# KiCad board accelerator.kicad_pcb (continued)
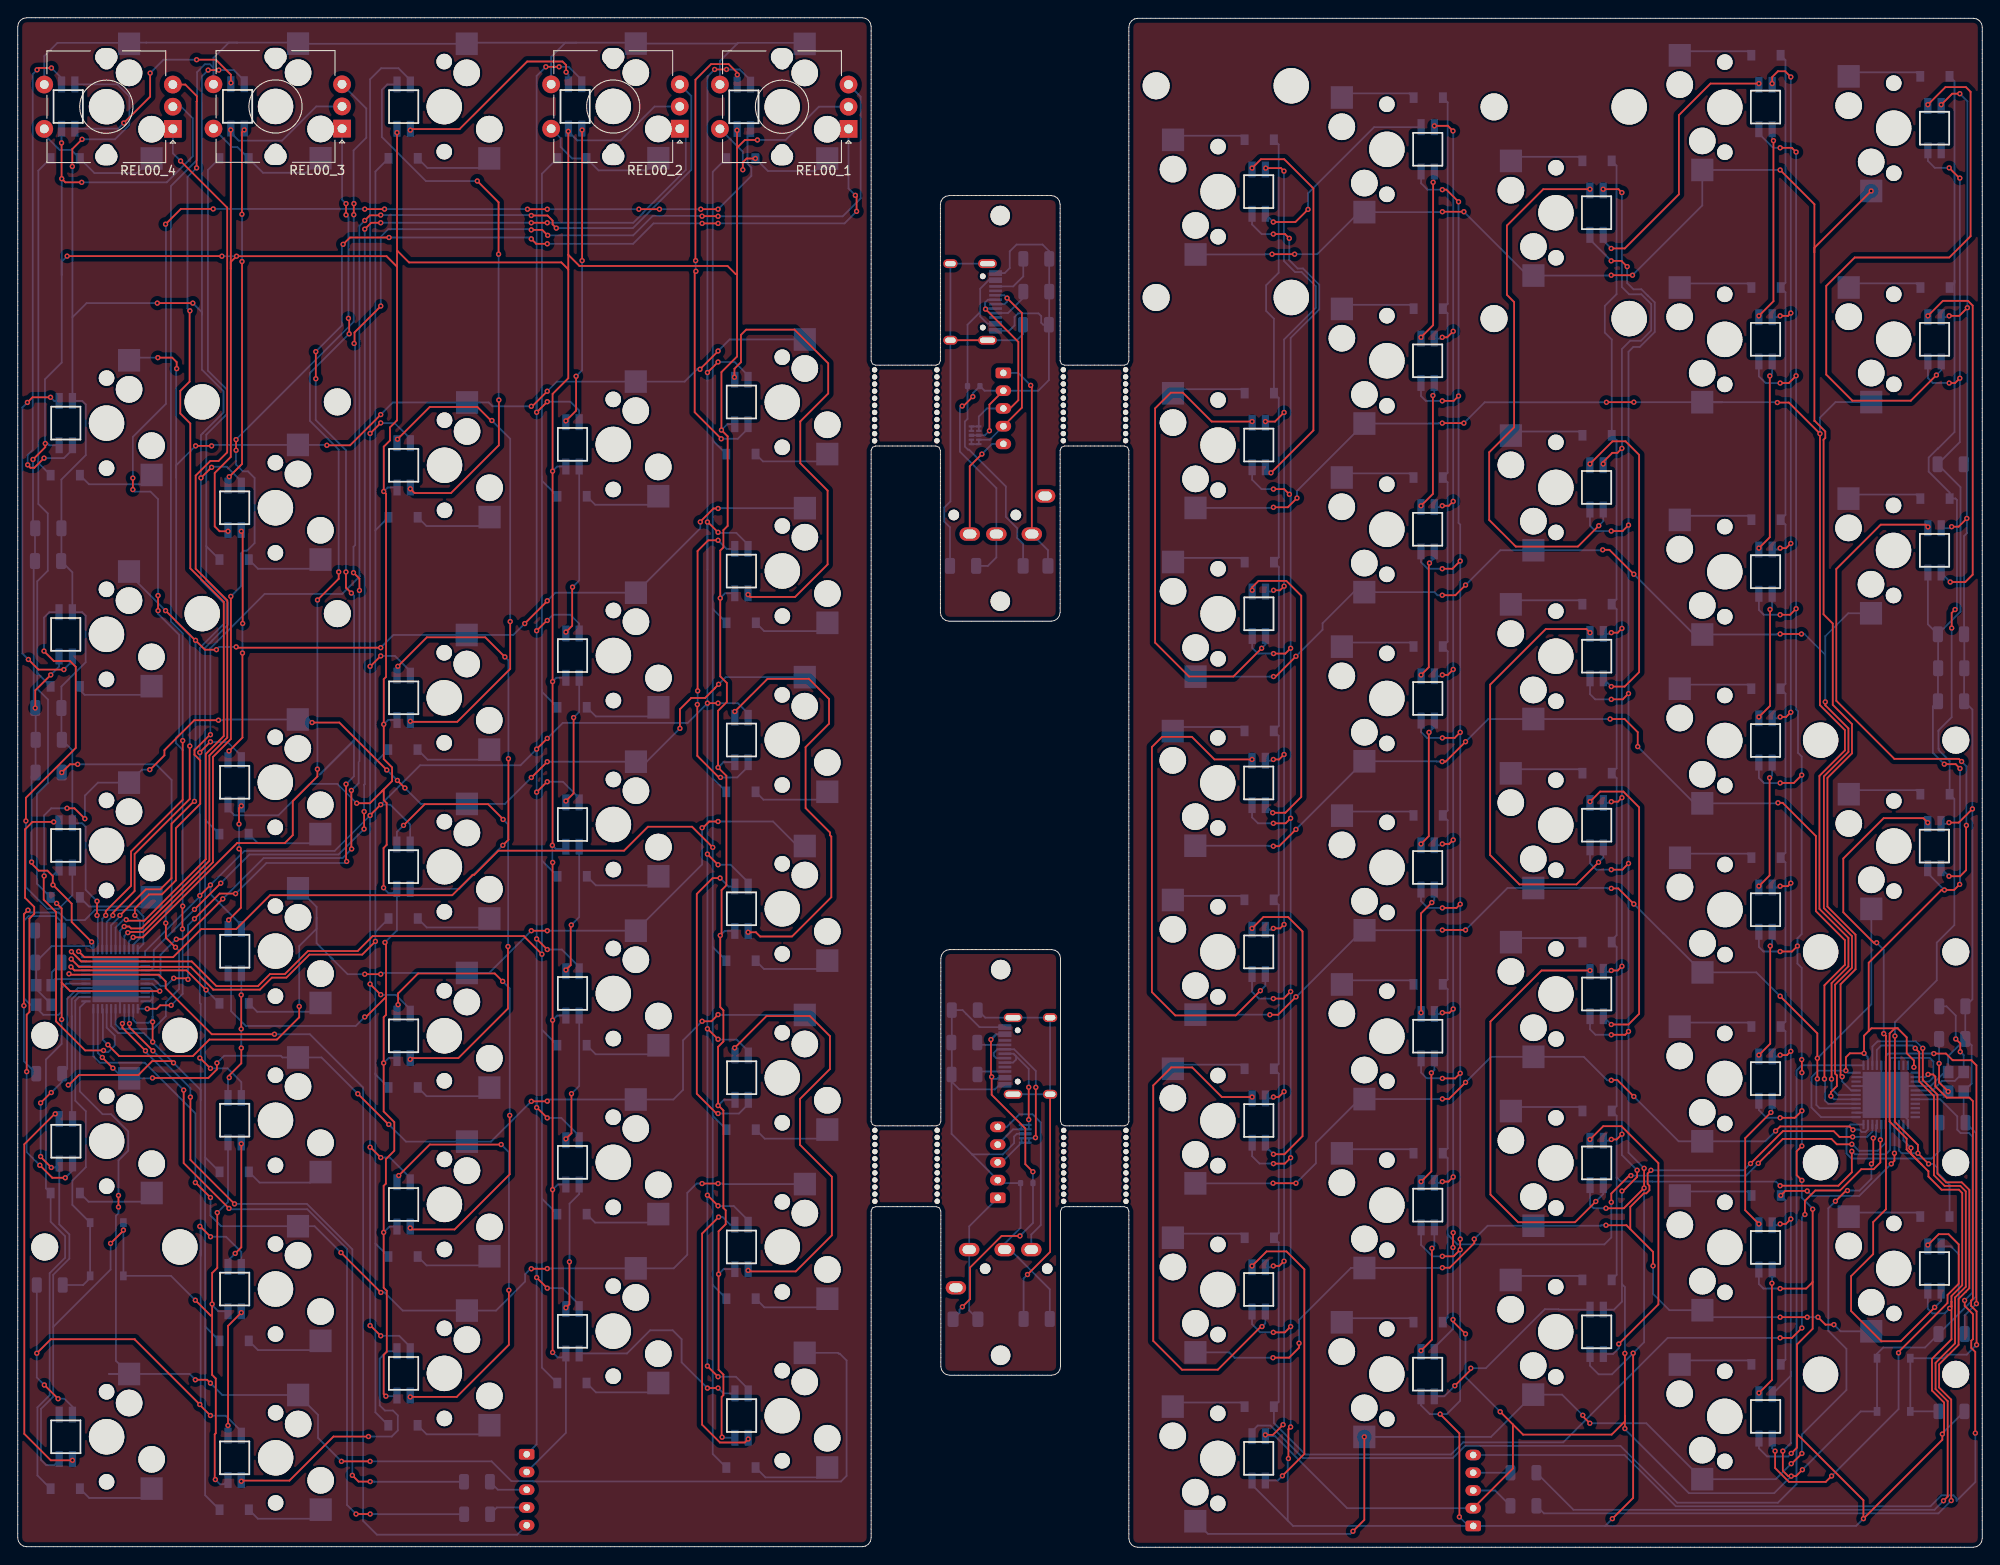
[diagram p0: board, top side]
## Routing (per net, layer and track width the routed paths; a pad name or vN(x,y) marks a point on that pad's centre or on a via; arc(x,y) is an arc through that point) (continued)
Net-(LLED36-DOUT): length 48.9
  Top w0.2: v1(4.05,81.8) 1.66,81.8 0.82,80.96 0.82,73.25 1.86,72.21 1.86,71.44 1.32,70.9 1.32,60.37 1.01,60.06 v1(1.01,53.64) ; v1(2.49,43.08) 3.9,41.67 v1(5.36,41.67)
  Bottom w0.2: v1(2.49,43.08) 1.01,44.56 v1(1.01,53.64) ; v1(5.36,41.67) 6.18,42.49 LLED38.4 ; LLED36.2 4.2,81.65 v1(4.05,81.8)
Net-(LLED38-DOUT): length 45
  Top w0.2: v1(6.17,9.81) 3.72,9.81 0.74,12.79 0.74,45.45 4.17,48.88 v1(4.23,48.88)
  Bottom w0.2: v1(4.23,48.88) 4.68,48.43 LLED38.2
Net-(RLED1-DOUT): length 33.9
  Top w0.2: v1(139.18,31.73) 140.82,33.37 143.06,33.37 145.08,31.35 145.08,10.53 v1(142.61,8.06)
  Bottom w0.2: RLED1.2 142.08,7.53 v1(142.61,8.06)
Net-(RLED2-DOUT): length 59.7
  Top w0.2: v1(139.19,50.78) 135.77,50.78 132.43,54.12 130.07,54.12 128.04,52.09 128.04,23.28 131.29,20.03 135.32,20.03 140.19,24.89 v1(140.31,24.89)
  Bottom w0.2: RLED2.2 140.68,25.27 v1(140.31,24.89)
Net-(RLED3-DOUT): length 35.8
  Top w0.2: v1(139.18,69.8) 140.46,71.08 143.24,71.08 144.87,69.45 144.87,46.37 142.83,44.33 v1(141.59,44.33)
  Bottom w0.2: RLED3.2 140.69,45.23 v1(141.59,44.33)
Net-(RLED4-DOUT): length 57.1
  Top w0.2: v1(139.18,88.85) 134.95,88.85 132.4,91.4 129.03,91.4 127.89,90.26 127.89,62.61 130.52,59.98 137.33,59.98 v1(140.12,62.77)
  Bottom w0.2: RLED4.2 140.68,63.33 v1(140.12,62.77)
Net-(RLED5-DOUT): length 34.7
  Top w0.2: v1(141.51,82.84) 142.94,82.84 144.73,84.63 144.73,107.3 143.05,108.99 139.91,108.99 139.2,108.28 v1(139.2,107.93)
  Bottom w0.2: RLED5.2 140.68,83.67 v1(141.51,82.84)
Net-(RLED6-DOUT): length 55.9
  Top w0.2: v1(139.19,126.95) 134.63,126.95 131.38,130.21 130.01,130.21 128.25,128.45 128.25,102.03 132.07,98.21 137.08,98.21 v1(140.26,101.39)
  Bottom w0.2: v1(140.26,101.39) 140.7,101.83 RLED6.2
Net-(RLED7-DOUT): length 43.7
  Top w0.2: v1(139.18,155.53) 140.18,156.54 142.81,156.54 146.1,153.25 146.1,125.96 v1(141.31,121.17)
  Bottom w0.2: v1(141.31,121.17) 140.69,121.79 RLED7.2
Net-(RLED10-DIN): length 14.5
  Top w0.2: v1(159.4,53.5) 159.4,42.4 v1(158.24,41.24)
  Bottom w0.2: v1(159.4,53.5) 159.74,53.84 RLED11.2
Net-(RLED10-DOUT): length 14.5
  Top w0.2: v1(158.23,22.18) 159.47,23.41 v1(159.47,33.72)
  Bottom w0.2: RLED10.2 159.74,34 v1(159.47,33.72)
Net-(RLED11-DIN): length 14.5
  Top w0.2: v1(159.45,72.71) 158.24,71.5 v1(158.24,60.29)
  Bottom w0.2: RLED12.2 159.73,72.99 v1(159.45,72.71)
Net-(RLED12-DIN): length 14.5
  Top w0.2: v1(159.14,91.9) 159.11,91.88 159.11,80.2 v1(158.23,79.32)
  Bottom w0.2: RLED13.2 159.74,92.51 v1(159.14,91.9)
Net-(RLED13-DIN): length 14.5
  Top w0.2: v1(159.19,111) 159.11,110.92 159.11,99.25 v1(158.24,98.38)
  Bottom w0.2: RLED14.2 159.73,111.54 v1(159.19,111)
Net-(RLED14-DIN): length 14.5
  Top w0.2: v1(158.23,117.46) 159.57,118.8 v1(159.57,129.89)
  Bottom w0.2: v1(159.57,129.89) 159.73,130.05 RLED15.2
Net-(RLED15-DIN): length 19.3
  Top w0.2: v1(158.23,136.45) 159.6,137.82 v1(159.6,153.94)
  Bottom w0.2: RLED16.2 159.74,154.08 v1(159.6,153.94)
Net-(RLED16-DIN): length 23.5
  Top w0.2: v1(145.49,150.88) 144.07,149.46 v1(141.58,149.46)
  Bottom w0.2: v1(141.58,149.46) 140.68,150.36 RLED8.2 ; v1(145.49,150.88) 145.49,152.7 152.95,160.15 RLED16.4
Net-(RLED17-DIN): length 21.8
  Top w0.2: v1(163.85,20.2) 163.85,20.02 v1(162.05,18.22)
  Bottom w0.2: v1(163.85,20.2) 165.54,20.2 172.19,26.85 173.72,26.85 173.77,26.8 RLED17.4 ; RLED9.2 160.86,17.03 v1(162.05,18.22)
Net-(RLED17-DOUT): length 34.8
  Top w0.2: v1(177.29,45.99) 178.78,47.49 180.84,47.49 185,43.32 185,27.4 v1(180.53,22.93)
  Bottom w0.2: v1(180.53,22.93) 180.53,22.44 179.89,21.8 RLED17.2
Net-(RLED18-DOUT): length 49.5
  Top w0.2: v1(177.94,39) 175.6,36.66 169.18,36.66 166.06,39.78 166.06,59.29 171.82,65.05 v1(177.29,65.05)
  Bottom w0.2: RLED18.2 178.79,39.85 v1(177.94,39)
Net-(RLED19-DOUT): length 35
  Top w0.2: v1(179.69,58.96) 181.62,58.96 182.83,60.17 182.83,83.44 181.05,85.23 178.43,85.23 v1(177.29,84.08)
  Bottom w0.2: RLED19.2 178.79,59.86 v1(179.69,58.96)
Net-(RLED20-DOUT): length 49.8
  Top w0.2: v1(178.25,77.25) 175.76,74.76 169.33,74.76 166.03,78.06 166.03,97.29 172.3,103.56 176.88,103.56 v1(177.29,103.14)
  Bottom w0.2: RLED20.2 178.79,77.79 v1(178.25,77.25)
Net-(RLED21-DOUT): length 36.9
  Top w0.2: v1(179.69,97.07) 181.2,97.07 182.83,98.7 182.83,123.2 181.3,124.73 179.83,124.73 v1(177.28,122.18)
  Bottom w0.2: RLED21.2 178.79,97.97 v1(179.69,97.07)
Net-(RLED22-DOUT): length 62.4
  Top w0.2: v1(178.28,115.21) 175.93,112.86 168.92,112.86 165.92,115.86 165.92,123.49 168.73,126.3 168.73,140.44 167.92,141.25 167.92,149.06 172.02,153.16 v1(177.28,153.16)
  Bottom w0.2: RLED22.2 178.78,115.71 v1(178.28,115.21)
Net-(RLED24-DOUT): length 31.5
  Top w0.2: v1(179.68,146.48) 181.21,146.48 187.31,152.58 187.31,161.51 190.88,165.07 v1(196.33,165.07)
  Bottom w0.2: RLED24.2 178.78,147.38 v1(179.68,146.48)
Net-(RLED25-DIN): length 14.5
  Top w0.2: v1(197.8,29.78) 197.8,18.87 v1(196.34,17.41)
  Bottom w0.2: RLED26.2 197.83,29.81 v1(197.8,29.78)
Net-(RLED25-DOUT): length 47.3
  Top w0.2: v1(215.38,34.09) 216.6,35.31 217.72,35.31 218.86,34.16 218.86,29.72 217.6,28.46 217.6,27.54 212.08,22.02 v1(212.08,21.93) ; v1(198.16,10.85) 198.16,8.94 199.73,7.38 203.87,7.38 v1(204.53,8.04)
  Bottom w0.2: RLED25.2 197.84,11.17 v1(198.16,10.85) ; v1(204.53,8.04) 212.08,15.59 v1(212.08,21.93)
Net-(RLED26-DIN): length 15.8
  Top w0.2: v1(197.69,49.04) 194.79,46.14 194.79,38 v1(196.33,36.47)
  Bottom w0.2: v1(197.69,49.04) 197.83,49.18 RLED27.2
Net-(RLED27-DIN): length 14.5
  Top w0.2: v1(197.61,67.81) 197.61,56.79 v1(196.33,55.51)
  Bottom w0.2: v1(197.61,67.81) 197.83,68.03 RLED28.2
Net-(RLED28-DIN): length 14.6
  Top w0.2: v1(196.33,74.56) 197.54,75.77 v1(197.54,86.78)
  Bottom w0.2: RLED29.2 197.83,87.07 v1(197.54,86.78)
Net-(RLED29-DIN): length 14.5
  Top w0.2: v1(196.33,93.64) 197.59,94.9 v1(197.59,105.77)
  Bottom w0.2: RLED30.2 197.83,106.01 v1(197.59,105.77)
Net-(RLED30-DIN): length 21.7
  Top w0.2: v1(197.56,132.1) 197.56,113.91 v1(196.33,112.68)
  Bottom w0.2: RLED31.2 197.83,132.37 v1(197.56,132.1)
Net-(RLED31-DIN): length 21.8
  Top w0.2: v1(196.33,138.88) 197.98,140.52 v1(197.98,158.63)
  Bottom w0.2: RLED32.2 197.83,158.78 v1(197.98,158.63)
Net-(RLED34-DOUT): length 81.1
  Top w0.2: v1(216.15,27.06) 212.33,23.24 210.14,23.24 206.73,26.65 206.73,30.58 209.22,33.07 209.22,36.68 210.66,38.12 210.66,57.68 v1(210.41,57.93) ; v1(215.37,81.73) 214.87,82.23 210.4,82.23 205.85,77.68 205.85,71.61 209.28,68.18 v1(209.61,68.18)
  Bottom w0.2: v1(216.15,27.06) 216.88,27.79 RLED34.2 ; v1(209.61,68.18) 210.41,67.38 v1(210.41,57.93)
Net-(RLED36-DOUT): length 60.3
  Top w0.2: v1(217.77,75.68) 219.02,75.68 219.7,76.36 219.7,81.39 v1(219.73,81.42) ; v1(215.39,115.07) 215.14,115.33 210.07,115.33 205.06,110.32 205.06,95.47 211.61,88.92 218.89,88.92 v1(219.19,88.62)
  Bottom w0.2: v1(219.73,81.42) 219.73,88.08 v1(219.19,88.62) ; RLED36.2 v1(217.77,75.68)
Net-(RLED38-DOUT): length 40.7
  Top w0.2: v1(215.39,138.88) 217.08,140.57 219.91,140.57 220.44,140.04 220.44,109.69 219.61,108.86 v1(217.91,108.86)
  Bottom w0.2: v1(217.91,108.86) 216.89,109.88 RLED38.2
Net-(RLED39-DOUT): length 67.3
  Top w0.2: v1(216.35,132.2) 213.46,129.31 206.87,129.31 203.93,132.25 203.93,142.25 207.14,145.46 217.8,145.46 220.2,147.86 220.2,164.15 219.68,164.67 217.37,164.67 v1(215.39,162.69)
  Bottom w0.2: RLED39.2 216.89,132.74 v1(216.35,132.2)
Net-(UL1-D+): length 85.3
  Top w0.2: v1(23.82,38.21) 18.71,43.33 v1(18.71,51.56) ; v1(14.4,55.99) 11.8,58.59 v1(11.8,59.06) ; v1(38.15,3.75) v1(39.74,3.75)
  Bottom w0.2: v1(11.8,59.06) 12.03,59.29 UL1.4 ; RL2.1 40.49,3.73 40.47,3.75 v1(39.74,3.75) ; v1(18.71,51.56) 14.52,55.75 14.52,55.87 v1(14.4,55.99) ; v1(23.82,38.21) 23.92,38.12 32.65,38.12 37.13,33.64 37.13,4.77 v1(38.15,3.75)
Net-(UL1-D-): length 80.7
  Top w0.2: v1(12.6,59.06) 12.6,58.64 v1(15.25,55.99) ; v1(24.44,38.72) 19.47,43.69 v1(19.47,50.77) ; v1(39.74,7.41) 38.43,7.41 v1(37.73,8.11)
  Bottom w0.2: v1(12.6,59.06) 12.53,59.13 UL1.3 ; v1(15.25,55.99) 19.47,51.77 v1(19.47,50.77) ; v1(37.73,8.11) 37.73,33.6 32.61,38.72 v1(24.44,38.72) ; RL3.1 40.21,7.39 40.19,7.41 v1(39.74,7.41)
Net-(UL1-UCAP): length 49.9
  Top w0.2: v1(4.97,87.37) 5.9,88.3 v1(6.76,88.3) ; v1(16.69,70.39) 16.7,70.38 16.7,68.75 v1(17.79,67.66)
  Bottom w0.2: v1(6.76,88.3) 15.58,88.3 17.35,86.53 17.35,72.31 16.69,71.65 v1(16.69,70.39) ; v1(17.79,67.66) 18.19,67.26 18.19,62.95 16.7,61.46 16.7,59.89 15.27,58.46 11.54,58.46 11.03,58.97 UL1.6
Net-(UL1-XTAL1): length 7.3
  Bottom w0.2: CL1.2 3.83,64.84 YL1.3 3.83,63.72 4.18,64.07 UL1.17
Net-(UL1-XTAL2): length 25.4
  Bottom w0.2: CL2.1 4.89,70.57 4.29,71.18 1.22,71.18 0.68,70.64 0.71,70.61 0.71,61.91 1.43,61.19 YL1.1 2.08,60.85 2.88,60.05 4.59,60.05 4.92,60.38 4.92,63.02 5.47,63.57 UL1.16
Net-(UL1-~{HWB}/PE2): length 37.5
  Top w0.2: v1(1.15,71.85) 0.69,71.39 0.69,61.08 v1(0.69,61.08)
  Bottom w0.2: UL1.33 14.17,68.05 14.17,71.15 13.46,71.86 8.69,71.86 7.56,70.73 5.48,70.73 4.63,71.58 1.42,71.58 v1(1.15,71.85) ; v1(0.69,61.08) 0.69,54.8 RL4.2
Net-(UR1-D+): length 111.1
  Top w0.2: v1(217.15,5.24) 217.62,5.71 217.62,16.48 216.25,17.85 216.25,20.79 218.45,22.99 218.45,28.17 219.66,29.38 219.66,40.14 219.05,40.76 217.28,40.76 216.07,41.96 216.07,50.88 214.41,52.54 214.41,55.83 v1(213.96,56.28)
  Bottom w0.2: v1(217.15,5.24) 216.13,4.23 175.42,4.23 RR2.1 ; v1(213.96,56.28) 213.65,56.59 210.12,56.59 209.63,56.1 UR1.4
Net-(UR1-D-): length 112.3
  Top w0.2: v1(218.02,5.27) 218.02,16.65 216.65,18.01 216.65,20.63 218.85,22.83 218.85,28.01 219.66,28.82 219.66,28.82 220.06,29.22 220.06,40.3 219.21,41.16 217.44,41.16 216.47,42.13 216.47,51.05 214.81,52.71 v1(214.81,56.28)
  Bottom w0.2: v1(218.02,5.27) 216.58,3.83 172.09,3.83 RR3.1 ; UR1.3 209.13,56.47 209.72,57.06 214.03,57.06 v1(214.81,56.28)
Net-(UR1-UCAP): length 42.8
  Top w0.2: v1(216.06,55.68) 217.43,55.68 218.18,54.93 220.29,54.93 220.86,54.35 v1(220.86,27.47)
  Bottom w0.2: v1(220.86,27.47) 219.54,26.15 CR3.1 ; UR1.6 210.63,55.38 210.93,55.68 v1(216.06,55.68)
Net-(UR1-XTAL1): length 10.2
  Top w0.2: v1(216.65,54.56) 216.65,52.42 v1(217.68,51.4)
  Bottom w0.2: CR1.2 216.66,54.56 v1(216.65,54.56) ; UR1.17 217.3,51.02 v1(217.68,51.4)
Net-(UR1-XTAL2): length 15.4
  Top w0.2: v1(218.53,57.33) 219.04,56.82 v1(219.04,55.89)
  Bottom w0.2: CR2.1 217.49,61.01 218.53,59.97 v1(218.53,57.33) ; UR1.16 215.9,51.52 216.98,52.6 218.43,52.6 YR1.1 219.43,55.5 v1(219.04,55.89)
Net-(UR1-~{HWB}/PE2): length 19.2
  Bottom w0.2: RR4.2 216.71,44.72 215.82,43.84 206.78,43.84 206.21,44.41 206.21,47.23 206.66,47.68 UR1.33

## Copper pours and planes (outline as drawn; the poured copper is in the pictures)
(no net) on Top, Bottom: -1.55,174.2 223.94,174.11 223.94,-2.26 -2.38,-2.45
